# KiCad board panel.kicad_pcb (continued)
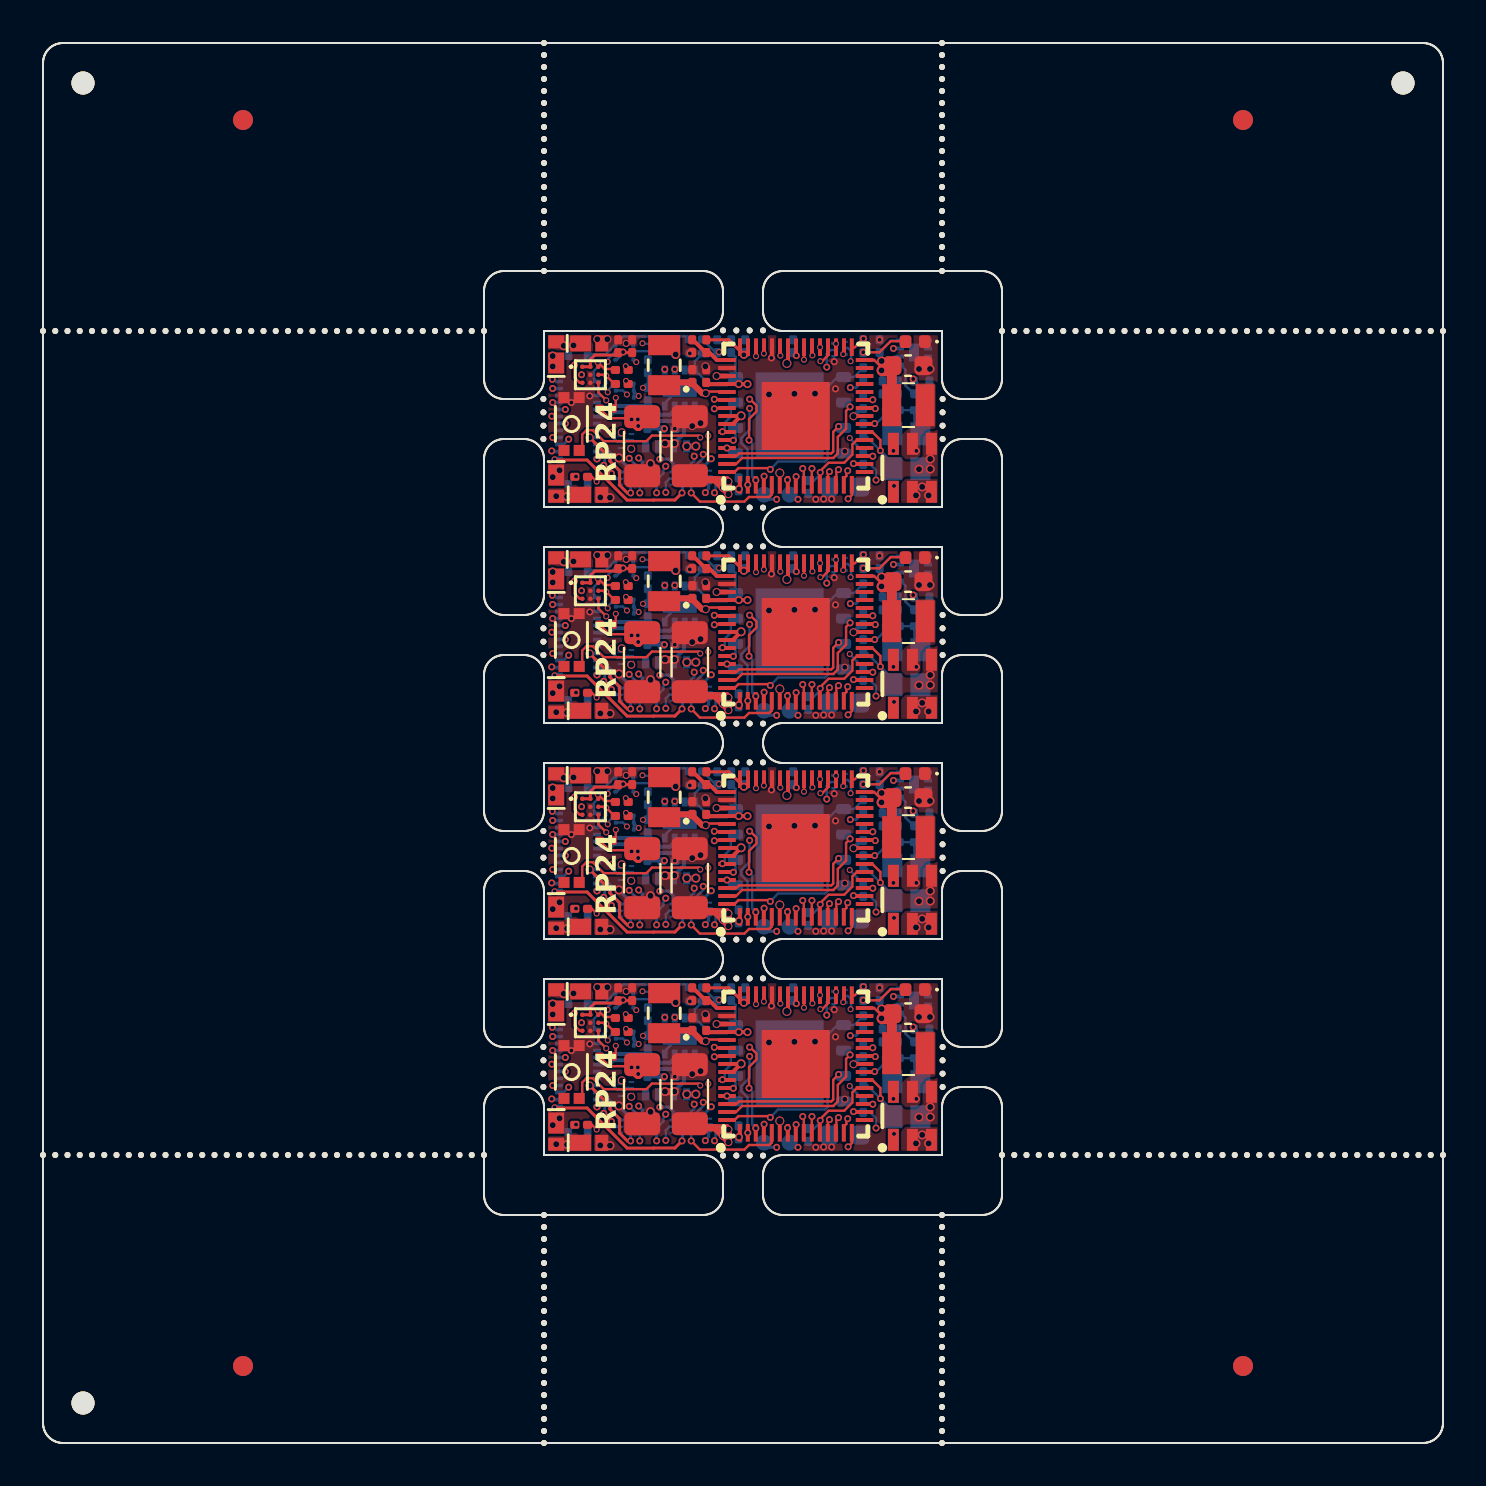
[diagram p0: board, top side]
## Routing (per net, layer and track width the routed paths; a pad name or vN(x,y) marks a point on that pad's centre or on a via; arc(x,y) is an arc through that point) (continued)
Board_2-/COMP_N: length 2.6
  Bottom w0.12: U1#2.6 42.59,32.73 42.46,32.6 42.46,31.78 R4.1 ; 41.98,30.85 42.06,30.85 42.62,31.41 42.62,31.49
Board_2-/COMP_P: length 2.7
  Bottom w0.12: R1.2 R2.1 ; R1.2 43.53,30.86 43.12,31.26 43.12,32.05 42.85,32.33 U1#2.5 ; R1.2 43.42,30.86
Board_2-/GPIO2: length 4.6
  Top w0.12: v3(36.05,26.74) 36.04,26.73 U4#2.4
  In4.Cu w0.12: v3(36.05,26.74) 35.91,26.88 34.16,26.88 33.57,26.3 v3(33.57,25.91)
  Bottom w0.12: v3(33.57,25.91) 33.62,25.96 33.62,26.55 33.45,26.72 Q6#2.2
Board_2-/GPIO3: length 5.8
  Top w0.12: v3(32.41,25.91) 32.85,25.47 35.07,25.47 35.3,25.7 36.31,25.7 36.44,25.83 U4#2.5
  Bottom w0.12: v3(32.41,25.91) 32.41,26.49 32.54,26.62 Q6#2.5
Board_2-/GPIO4: length 8.3
  In3.Cu w0.12: v3(37.23,26.55) 37.3,26.63 37.3,27 36.87,27.43 36.22,27.43 35.7,26.91 34.16,26.91 33.52,26.27 31.48,26.27 v3(31.14,25.93)
  Bottom w0.12: Q5#2.5 31.33,26.62 31.14,26.43 v3(31.14,25.93)
Board_2-/GPIO5: length 10.1
  Top w0.12: U4#2.8 37.64,26.71 v3(37.65,26.72)
  In4.Cu w0.12: v3(29.84,25.91) 30.27,25.47 36.08,25.47 36.82,26.21 37.42,26.21 37.6,26.39 37.6,26.67 v3(37.65,26.72)
  Bottom w0.12: Q3#2.5 29.94,26.62 29.84,26.52 v3(29.84,25.91)
Board_2-/GPIO6: length 11.5
  Top w0.12: v3(37.99,27.12) 38.04,27.07 U4#2.9
  In4.Cu w0.12: v3(37.99,27.12) 37.69,27.43 36.22,27.43 35.91,27.12 34.06,27.12 33.58,26.64 28.66,26.64 v3(28.42,26.88)
  Bottom w0.12: Q4#4.5 28.68,26.62 v3(28.42,26.88)
Board_2-/GPIO7: length 12.4
  Top w0.12: v3(38.45,27.12) 38.44,27.12 U4#2.10 38.44,26.19 38.43,26.17
  In4.Cu w0.12: 38.43,27.15 38.43,27.33 38.1,27.66 36.13,27.66 35.81,27.34 33.96,27.34 33.49,26.87 30.07,26.87 v3(29.31,27.63)
  Bottom w0.12: v3(29.31,27.63) 29.72,27.22 29.72,26.8 29.64,26.72 Q4#4.2
Board_2-/GPIO8: length 10.4
  Top w0.12: v3(39.32,26.97) 39.24,26.89 U4#2.12
  In4.Cu w0.12: v3(31.14,27.24) 31.24,27.13 33.43,27.13 33.87,27.58 35.72,27.58 36.03,27.89 38.41,27.89 v3(39.32,26.97)
  Bottom w0.12: v3(31.14,27.24) 31.03,27.13 31.03,26.89 30.85,26.72 Q3#2.2
Board_2-/GPIO9: length 9.9
  Top w0.12: U4#2.13 39.67,26.34 39.67,26.96 v3(39.78,27.07)
  In4.Cu w0.12: v3(33.01,27.83) 33.13,27.96 33.56,27.96 33.71,27.8 35.62,27.8 35.93,28.12 38.73,28.12 v3(39.78,27.07)
  Bottom w0.12: Q5#2.2 32.14,26.72 32.36,26.94 32.36,27 33.01,27.65 v3(33.01,27.83)
Board_2-/GPIO21: length 0.1
  Bottom w0.12: 39.58,33.37 39.64,33.37 v6(39.65,33.36)
Board_2-/GPIO25: length 8.1
  Top w0.12: v6(38.05,32.57) U4#2.37
  In4.Cu w0.12: v3(31.59,32.09) 32.03,32.09 32.83,32.88 33.42,32.88 33.67,32.63 34.7,32.63 34.89,32.44 35.5,32.44 35.95,31.98 37.47,31.98 v6(38.05,32.57) 38,32.57 37.98,32.59
  Bottom w0.12: v3(31.59,32.09) U6.6
Board_2-/GPIO26: length 7.5
  Top w0.12: v6(36.86,32.77) 36.85,32.78 U4#2.40
  In4.Cu w0.12: v6(36.86,32.77) 36.86,32.7 36.29,33.27 31.52,33.27 31.09,32.84 v3(31.09,32.09)
  Bottom w0.12: v3(31.09,32.09) U6.5
Board_2-/I2S_BCLK: length 16
  Top w0.12: U4#2.36 38.45,32.8 v6(38.47,32.78) ; v3(26.58,32.3) 26.58,32.29 26.58,31.67 26.84,31.41 U5#3.C1
  In4.Cu w0.12: v3(26.58,32.3) 27.37,33.09 28.38,33.09 29.02,33.73 38.8,33.73 39.19,33.34 39.19,33.05 38.99,32.84 38.53,32.84 v6(38.47,32.78)
Board_2-/I2S_DIN: length 13.1
  Top w0.12: U5#3.B1 26.97,31.81 v3(26.93,31.81)
  In4.Cu w0.12: v6(38.85,33.19) 38.54,33.5 30.54,33.5 29.85,32.8 29.49,32.8 29.29,32.6 28.57,32.6 28.39,32.78 27.59,32.78 26.93,32.11 v3(26.93,31.81)
Board_2-/I2S_LRCLK: length 17.8
  Top w0.12: U4#2.34 39.25,32.78 38.96,32.49 v6(38.87,32.49) ; U5#3.C3 27.77,30.93 v6(28.16,30.53)
  In3.Cu w0.12: v6(38.87,32.49) 39.21,32.83 39.21,33.32 38.8,33.73 28.88,33.73 28.37,33.22 28.03,33.22 27.38,32.57 27.38,31.31 v6(28.16,30.53)
Board_2-/LAMP_FRONT: length 4.6
  Top w0.15: v3(29.38,25.91) 29.22,25.91 28.83,26.29 28.83,27.01 28.34,27.5 28.34,27.67 v1(27.33,28.67)
  Bottom w0.15: v3(29.38,25.91) Q4#4.3 ; J1#3.9 v1(27.33,28.67)
Board_2-/LAMP_REAR: length 2
  Bottom w0.15: Q4#4.6 28.88,26.95 28.37,27.46 28.37,27.89 27.93,28.33 J1#3.10
Board_2-/MOTOR_A: length 5.1
  Bottom w0.2: U6.2 32.09,30.06 31.53,29.5 30.73,29.5 30.3,29.93 29.92,29.93 29.91,29.94 28.51,29.94 28.3,29.73 J1#3.6
Board_2-/MOTOR_B: length 4.8
  Bottom w0.12: 30.43,30.24 30.24,30.43 R13#4.2
  Bottom w0.2: 27.7,30.08 27.8,30.17 28.31,30.17 28.39,30.25 30.04,30.25 30.05,30.24 30.43,30.24 30.86,29.81 31.34,29.81 31.59,30.06 U6.3
Board_2-/QSPI_CS: length 11.1
  Top w0.12: v3(36.36,27.08) 36.3,27.14 34.77,27.14 34.58,26.95 U4#2.60
  Bottom w0.12: R5#2.1 40.54,31.7 U3#2.1 39.72,31.7 39.23,31.2 39.23,27.6 39.1,27.47 36.75,27.47 v3(36.36,27.08)
Board_2-/QSPI_SCLK: length 0.7
  Bottom w0.12: v3(34.52,28.53) 34.63,28.65 U3#2.6
Board_2-/QSPI_SD0: length 0.5
  Bottom w0.12: v3(34.2,28.15) 34.47,27.88 U3#2.5
Board_2-/QSPI_SD1: length 9.1
  Top w0.12: 33.88,27.35 U4#2.59 34.65,27.35 34.95,27.65 39.52,27.65 39.74,27.87 39.74,28.7 40.15,29.11 40.15,30.01 v3(40.35,30.21)
  Bottom w0.12: U3#2.2 40.14,30.42 v3(40.35,30.21)
Board_2-/QSPI_SD2: length 6.8
  Top w0.12: U4#2.58 34.67,27.75 34.8,27.88 39.42,27.88 39.51,27.97 39.51,28.96 v3(39.78,29.23) ; 34.44,27.77 34.46,27.75
Board_2-/QSPI_SD3: length 1.7
  Bottom w0.12: v3(33.97,28.96) 34.09,29.08 34.09,29.41 34.39,29.71 34.39,30.19 U3#2.7
Board_2-/RC_TX: length 14.7
  Top w0.12: v6(27.68,26.47) 27.44,26.71 R18#2.2 ; U4#2.15 40.44,25.79 v3(40.26,25.61)
  In1.Cu w0.12: v6(27.68,26.47) 27.94,26.22 28.36,26.22 29.11,25.47 36.08,25.47 36.55,25.94 39.92,25.94 v3(40.26,25.61)
Board_2-/SPEAKER_N: length 2
  Top w0.12: R16.1 28.58,31.35 v6(28.16,31.76) 28.11,31.81 U5#3.B3
  Bottom w0.12: J1#3.2 27.91,31.12 28.16,31.37 v6(28.16,31.76)
Board_2-/SPEAKER_P: length 2.3
  Top w0.12: U5#3.A3 27.77,32.4 v6(27.74,32.42) 27.77,32.42 28.09,32.1 28.57,32.1 R10#3.1
  Bottom w0.12: v6(27.74,32.42) 27.74,32.2 27.55,32.01 27.55,31.62 27.7,31.48
Board_2-/SWCLK: length 10
  Top w0.15: U4#2.24 41.58,30.15 v3(41.62,30.12)
  In4.Cu w0.15: v3(41.62,30.12) 41.72,30.12 43.14,28.7 43.14,27.53 42.66,27.05 41.41,27.05 40.66,26.3 38.62,26.3 37.91,25.59 v3(37.75,25.59)
Board_2-/SWDIO: length 12.1
  Top w0.15: v3(41.49,30.56) 41.48,30.55 U4#2.25
  In4.Cu w0.15: v3(41.49,30.56) 41.26,30.33 41.26,29.95 41.48,29.73 41.74,29.73 42.88,28.59 42.88,27.63 42.56,27.31 41.3,27.31 40.55,26.56 38.12,26.56 37.52,25.97 37.01,25.97 36.68,25.63 v3(36.68,25.58)
  Bottom w0.15: v3(36.68,25.58) 36.29,25.58 J2#2.1
Board_2-/SWITCH: length 3.9
  In1.Cu w0.12: v3(41.65,26.55) 43.11,28 v3(43.67,28)
  Bottom w0.12: v3(41.65,26.55) 41.65,27.03 41.36,27.33 C4#2.2
Board_2-/TRACK_LEFT: length 5.6
  Bottom w0.12: J1#3.X1A 27.33,32.84 28.13,32.84 28.55,33.26 Q8#4.6 28.62,33.33 29.02,33.73 32.19,33.73 R7#3.2
  vias: v5(26.04,33.26) v5(26.52,33.28)
Board_2-/TRACK_RIGHT: length 8.6
  In2.Cu w0.12: v6(28.24,30.94) 28.08,31.1 27.17,31.1 26.93,30.86 26.27,30.86 26.07,30.66 26.07,30.52 25.77,30.22 25.77,29.9 25.79,29.88 25.79,29.54 25.73,29.48 25.73,28.91 25.83,28.82 25.83,28.06 26.22,27.66 26.22,26.87 25.66,26.31 v5(25.66,25.74)
  Bottom w0.12: v6(28.24,30.94) 28.24,31.03 28.58,31.37 Q7.6
  Bottom w0.25: 26.27,26.34 J1#3.X2B
  vias: v5(26.2,25.72)
Board_2-/USB_N: length 5.7
  Top w0.12: U4#2.52 33.61,30.15 v3(33.57,30.11)
  In1.Cu w0.12: v3(33.57,30.11) 33.45,30.23 31.93,30.23 30.58,31.58 29.22,31.58 v6(29.15,31.51)
Board_2-/USB_P: length 5.9
  Top w0.12: U4#2.51 33.6,30.55 v3(33.57,30.59)
  In1.Cu w0.12: v3(33.57,30.59) 33.45,30.47 32.03,30.47 30.68,31.82 29.56,31.82 v6(29.14,32.24)
Board_2-/XIN: length 3.7
  Top w0.12: v3(41.87,28.02) 41.87,28.55 41.47,28.95 U4#2.21
  Bottom w0.12: C6#2.1 41.16,28.73 v3(41.87,28.02) 42.28,27.61 42.28,27.17
Board_2-/XOUT: length 1.5
  Top w0.12: U4#2.22 41.56,29.35 v3(41.58,29.37)
  Bottom w0.12: v3(41.58,29.37) 41.66,29.37 42.17,29.88 R6#4.2
Board_2-GND: length 7.8
  Top w0.12: v3(36.42,32.65) 36.45,32.68 U4#2.41 36.45,33.21 36.46,33.22
  Bottom w0.12: Q1.4 39.55,32.48 v3(39.56,32.46) ; v7(40.09,27.99) 40.09,27.95 U3#2.4 39.91,27.77 ; v3(31.59,29.12) R12#2.1 ; 32.43,30.91 32.2,31.15 U6.9 ; J1#3.22 26.07,30.77 v3(26.42,30.42) ; U6.9 31.17,30.48 31.16,30.48 ; U6.9 31.84,31.22 32.16,31.54 32.55,31.54 32.57,31.52 ; v3(32.56,27.74) 32.56,27.53 32.05,27.02 Q5#2.1 ; 44.24,32.33 U1#2.4 44.26,32.34 ; R14#4.1 30.32,32.56 30.35,32.52 ; v7(29.16,33.38) 29.4,33.38 Q8#4.1
  Bottom w0.15: J1#3.3 27.36,30.77 v3(27.34,30.75) ; Q4#4.1 28.8,27.63 v5(28.8,27.65) ; v5(30.38,27.36) 30.38,27.33 30.68,27.02 Q3#2.1
  vias: v1(27.72,33.59) v1(28.22,33.59) v1(32.46,29.25) v1(32.88,29.4) v1(33.12,32.23) v3(32.34,32.88) v3(38.64,25.58) v3(39.03,25.6) v3(39.43,25.6) v3(39.62,31.11) v3(41.83,33.56) v5(27.87,25.68) v5(28.35,25.67) v5(36.3,30.83) v5(37.57,30.86) v5(38.6,30.87) v5(43.8,32.1) v5(43.8,27.09) v5(44.35,32.1) v5(44.36,27.6) v5(44.36,27.1)
Board_2-Net-(C3-Pad1): length 2.1
  Bottom w0.12: Y1#3.1 43.57,29.16 C3#3.1 R6#4.1
Board_2-Net-(D7-A): length 2.4
  Top w0.12: v3(41.01,32.94) 41.83,32.94 42.38,33.49 43.1,33.49 D7#4.2
Board_2-Net-(Q1A-G1): length 9.8
  In2.Cu w0.12: v6(33.8,32.95) 34.58,33.73 39.78,33.73 40.38,33.13 v6(40.38,32.49)
  Bottom w0.12: v6(40.38,32.49) 40.4,32.51 40.4,32.99 40.24,33.15 Q1.2 ; R7#3.1 33.64,32.92 R8#4.2 33.77,32.92 v6(33.8,32.95)
Board_2-Net-(Q1B-G2): length 5.2
  In4.Cu w0.12: v3(39.19,32.19) 39.27,32.12 39.92,32.12 39.92,32.12 40.98,32.12 41.99,33.13 v3(42.52,33.13)
  Bottom w0.12: v3(42.52,33.13) 42.6,33.13 42.6,33.12 U1#2.7 ; Q1.5 39.38,33.05 39.19,32.86 v3(39.19,32.19)
Board_2-Net-(Q7A-B1): length 5
  In2.Cu w0.12: v6(29.97,33.39) 29.98,33.38 29.98,32.31 29.53,31.86 29.53,31 v6(29.78,30.75)
  Bottom w0.12: R17#3.1 30,33.36 v6(29.97,33.39) ; v6(29.78,30.75) 29.54,30.99 Q7.1 ; Q7.2 Q7.3
Board_2-Net-(Q7B-B2): length 10
  Top w0.12: v6(26.65,26.72) 26.64,26.71 R18#2.1
  In1.Cu w0.12: v6(29.2,30.83) 29.2,30.63 28.29,29.72 25.97,29.72 25.76,29.51 25.76,28.88 25.83,28.82 25.83,28.06 26.65,27.24 v6(26.65,26.72)
  In3.Cu w0.12: v6(29.66,32.44) 29.51,32.29 29.51,31.14 v6(29.2,30.83)
  Bottom w0.12: v6(29.66,32.44) 29.64,32.44 Q8#4.3 ; v6(29.2,30.83) 29,31.02 Q7.5
Board_2-Net-(Q7B-E2): length 3.2
  Top w0.12: R19#4.2 28.64,30.29 v6(28.64,30.66)
  In3.Cu w0.12: v6(28.64,30.66) 28.64,32.06 v6(28.24,32.46)
  Bottom w0.12: v6(28.24,32.46) 28.24,32.59 28.56,32.91 Q8#4.5 ; v6(28.64,30.66) Q7.4
Board_2-Net-(Q8A-B1): length 2.2
  Bottom w0.12: Q8#4.2 29.6,32.99 31.21,32.99 R17#3.2
Board_2-Net-(R5-Pad2): length 16.8
  Top w0.12: v6(32.86,28.67) 32.77,28.77 30.45,28.77 30.17,28.49 28.04,28.49 27.49,29.05 27.18,29.05 26.96,28.83 26.96,28.18 SW1#4.2
  In3.Cu w0.12: v3(40.36,31.17) 40.36,31.03 39.78,30.45 39.78,30.44 38.47,29.14 34.63,29.14 33.94,28.44 33.09,28.44 v6(32.86,28.67)
  Bottom w0.12: v3(40.36,31.17) 40.66,31.17 R5#2.2
Board_2-Net-(U2-BST): length 3.8
  Top w0.12: v3(42.52,28) U2.6
  In1.Cu w0.12: v6(40.34,28.65) 41.88,28.65 v3(42.52,28)
  Bottom w0.12: 40.96,27.97 C4#2.1 40.34,28.64 v6(40.34,28.65)
Board_2-Net-(U4-GPIO19): length 0.8
  Top w0.12: v3(41.02,33.62) 40.59,33.19 U4#2.31
Board_2-Net-(U4-VREG_AVDD): length 2.2
  Top w0.2: U4#2.46 33.69,32.55 33.32,32.92 R15#4.1 33.14,32.92 32.5,33.56 C16#3.1 32.52,33.56
Board_2-Net-(U4-VREG_LX): length 3.1
  Top w0.25: v1(33.68,31.75) U4#2.48
  In1.Cu w0.35: v5(31.63,32.83) 31.63,32.76 32.64,31.75 v1(33.68,31.75)
Board_2-VDC: length 13.4
  In3.Cu w0.12: v5(32.64,28.24) 32.67,28.21 33.65,28.21 34.06,27.8 34.34,27.8 34.95,28.41 34.95,28.68 35.18,28.91 38.57,28.91 40.01,30.35 40.01,30.35 40.48,30.82 40.61,30.82 41.39,31.6 v3(43.51,31.6)
  Bottom w0.12: v3(43.51,31.6) 43.56,31.55 R1.1
  Bottom w0.3: v5(32.19,28.24) 32.19,28.24 32.18,28.23 32.63,28.23 v5(32.64,28.24)
  vias: v5(25.49,32.75) v5(25.49,32.23) v5(25.49,26.69) v5(25.83,27.04)
Board_3-+1V1: length 20.9
  Top w0.12: v1(33.14,20.09) 33.22,20.17 34.18,20.17 U4#3.50
  Top w0.2: U4#3.23 40.58,18.95 40.57,18.94 v1(40.52,18.94) ; U4#3.39 37.25,21.64 v2(37.19,21.58) ; L2#4.2 31.2,20.63
  Top w0.3: 31.2,20.63 C11.1 32.46,20.59 32.96,20.09 v1(33.14,20.09)
  In1.Cu w0.3: v1(40.52,18.94) 39.62,18.94 36.84,16.16 v2(36.84,16.1) ; 37.19,21.58 36.96,21.35 34.76,21.35 33.67,20.26 33.31,20.26 v1(33.14,20.09)
  In2.Cu w0.2: v2(37.19,21.58) 37.19,21.58
  In2.Cu w0.3: v1(40.52,18.94) 40.8,19.21 40.8,20.55 40.48,20.86 37.97,20.86 37.25,21.58 v2(37.19,21.58)
  Bottom w0.2: C10#3.1 40.91,19.32 v1(40.52,18.94)
Board_3-+3.3V: length 30.9
  Top w0.12: U4#3.20 40.69,17.75 40.47,17.53 40.47,17.02 40.06,16.61 39.28,16.61 38.86,16.2 v3(38.86,16.13) 38.84,16.11 U4#3.11 ; v4(35.04,22.01) 35.15,22.12 35.2,22.12 35.25,22.17 U4#3.44 ; 29.96,18.92 29.88,18.84 28.31,18.84 R19#3.1 ; v4(34.8,15.3) 34.8,15.47 U4#3.1 ; U4#3.30 41.56,21.75 41.93,21.38 v5(41.93,21.23)
  Top w0.15: U4#3.45 34.85,22.2 34.93,22.12 35.2,22.12 ; U5#2.A1 U5#2.A2 27.37,21.78 27.59,22 28.63,22 C27#4.1 C28#3.1 ; R15.2 34.29,22.76 v4(35.04,22.01)
  Top w0.2: v4(35.23,20.55) v4(34.79,20.55) 34.79,20.55 U4#3.49 34.19,20.54 33.25,20.54 C12.2 ; U4#3.54 34.49,18.55 v5(34.91,18.96) 34.89,18.95 U4#3.53
  Top w0.3: 41.93,21.7 v5(41.93,21.23) 41.93,21.23 v5(41.93,21.7) 41.93,21.7
  Top w0.5: 42.44,21.19 41.96,21.19 v5(41.93,21.23) ; 42.44,21.19 42.47,21.23 C7.1 ; 42.44,21.19 42.44,19.49 ; v6(29.76,18.45) v6(29.43,18.78)
  Bottom w0.12: v3(38.86,16.13) 38.86,16.03 38.55,15.72 C9#4.1 ; R3#3.1 41.93,20.75 v5(41.93,21.23) ; U6#4.8 32.59,21.69 C29#4.1 ; U6#4.8 U6#4.7 ; U6#4.8 33.26,20.58 34.22,20.58 34.58,20.94 34.69,20.83 ; Q8#2.4 28.68,21.76 28.89,21.97 28.89,22.03 v3(29,22.15) ; U1#4.8 42.41,22.72 41.83,22.14 C1#4.2 41.83,21.8 v5(41.93,21.7) ; U3.8 34.63,21.9 C5#2.1 ; v4(34.8,15.3) 34.77,15.3
  Bottom w0.15: v3(26.12,18.57) 26.1,18.59 25.81,18.59 J1#2.18
  vias: v3(37.66,21.97) v3(42.55,15.45) v6(29.74,18.78)
Board_3-/ADC_EMF_A: length 8
  Top w0.12: v6(36.05,22.07) 36.05,22.08 U4#3.42
  In3.Cu w0.12: v3(31.07,18.31) 31.07,18.86 32.79,20.58 33.83,20.58 34.66,21.41 35.57,21.41 36.05,21.88 v6(36.05,22.07)
  Bottom w0.12: R12#4.2 30.25,18.29 R11#2.1 ; 31.07,18.32 v3(31.07,18.31)
Board_3-/ADC_EMF_B: length 7.8
  Top w0.12: v6(35.65,21.94) U4#3.43
  In3.Cu w0.12: v6(35.65,21.94) 35.35,21.64 33.85,21.64 33.27,21.06 32.95,21.06 32.24,20.36 v6(30,20.36)
  Bottom w0.12: R14#3.2 R13#3.1 v6(30,20.36)
Board_3-/AUX1 (VDC): length 3.9
  In1.Cu w0.15: v3(28.04,16.49) 28.08,16.44 29.43,16.44 29.78,16.8 v3(29.78,16.85)
  Bottom w0.15: Q3#3.6 30.06,16.15 29.97,16.25 29.97,16.67 v3(29.78,16.85) ; J1#2.11 27.91,17.17 28.09,17 28.09,16.53 v3(28.04,16.49)
Board_3-/AUX2 (VDC): length 4.6
  In1.Cu w0.15: v3(27.7,16.8) 27.61,16.71 27.61,16.29 28.24,15.66 30.13,15.66 v3(30.68,15.11)
  Bottom w0.15: v3(27.7,16.8) J1#2.12 ; v3(30.68,15.11) 30.68,15.11 Q3#3.3
Board_3-/AUX3: length 19.5
  Top w0.12: v3(41.49,16.94) 41.09,16.94 U4#3.18
  In4.Cu w0.12: v3(41.49,16.94) 40.83,16.94 40.23,17.53 39.88,17.53 39.49,17.53 38.87,18.15 ; v3(25.48,19.63) 25.82,19.97 26.56,19.97 27.14,19.39 28.84,19.39 29.04,19.59 30.03,19.59 30.9,20.46 33.44,20.46 34.51,19.39 34.51,18.8 34.75,18.56 38.46,18.56 38.87,18.15 ; 38.87,18.15 38.94,18.08
  Bottom w0.12: J1#2.21 v3(25.48,19.63)
Board_3-/AUX4: length 16.6
  Top w0.12: U4#3.17 40.55,16.55 v3(40.53,16.57)
  In4.Cu w0.12: v3(40.53,16.57) 40.25,16.84 39.85,16.84 38.37,18.33 34.62,18.33 34.21,18.74 33.25,18.74 33.25,18.74 33.03,18.97 31.75,18.97 31.39,19.33 29.1,19.33 28.94,19.16 26.23,19.16 v3(26.12,19.28)
  Bottom w0.12: v3(26.12,19.28) J1#2.20
Board_3-/AUX5 (VDC): length 10
  In4.Cu w0.15: v3(33.41,16.81) 33.18,16.58 31.83,16.58 31.25,17.16 30.93,17.16 30.08,18.01 29.73,18.01 29.22,18.52 27.43,18.52 27.06,18.15 25.76,18.15 v3(25.48,17.88)
  Bottom w0.15: v3(33.41,16.81) 32.8,16.2 Q6.6
Board_3-/AUX6 (VDC): length 6.9
  In4.Cu w0.15: v3(26.29,17.79) 26.59,17.49 29.05,17.49 29.25,17.69 29.94,17.69 v3(30.84,16.79)
  Bottom w0.15: Q5#4.6 31.5,16.59 31.29,16.8 30.99,16.8 30.98,16.79 v3(30.84,16.79) ; J1#2.15 26.02,17.53 v3(26.29,17.79)
Board_3-/AUX7 (VDC): length 9.5
  In4.Cu w0.15: v3(25.44,17.2) 25.91,17.2 26.36,16.75 27.15,16.75 28.31,15.59 32.64,15.59 v3(33.12,15.12)
  Bottom w0.15: J1#2.14 25.46,17.17 v3(25.44,17.2) ; Q6.3 33.28,15.33 33.12,15.16 v3(33.12,15.12)
Board_3-/AUX8 (VDC): length 8.3
  Top w0.15: v6(25.58,16.79) 25.61,16.75 27.2,16.75 29.21,14.75 30.53,14.75 30.53,14.75 31.6,14.75 v3(31.95,15.1)
  In1.Cu w0.15: 25.8,16.79 25.8,16.79 v6(25.58,16.79)
  Bottom w0.15: Q5#4.3 31.98,15.13 v3(31.95,15.1) ; J1#2.13 25.76,16.79 v6(25.58,16.79)
Board_3-/AUX10: length 17.6
  Top w0.12: U4#3.14 40.04,15.82 40.17,15.95 40.17,16.15 v3(40.23,16.21)
  In4.Cu w0.12: v3(25.44,18.94) 25.45,18.93 29.03,18.93 29.2,19.1 31.29,19.1 32.09,18.3 32.09,18.29 32.31,18.08 32.61,18.08 32.73,18.19 33,18.19 33.32,18.51 34.11,18.51 34.52,18.1 38.27,18.1 39.76,16.61 39.92,16.61 40.23,16.3 v3(40.23,16.21)
  Bottom w0.12: J1#2.19 25.46,18.92 v3(25.44,18.94)
Board_3-/AUX11: length 16
  In4.Cu w0.12: v3(35.33,19.33) 35.3,19.33 34.25,20.38 34.25,21.02 33.95,21.32 33.53,21.32 32.92,20.71 29.67,20.71 29.31,20.35 28.94,20.35 28.81,20.48 28.12,20.48 27.97,20.32 v3(25.48,20.32)
  Bottom w0.12: v3(35.24,15.51) 35.23,15.52 35.23,17.28 34.91,17.6 34.91,17.84 35.33,18.26 v3(35.33,19.33) ; v3(25.48,20.32) J1#2.23
Board_3-/AUX12: length 17.2
  Top w0.12: v3(35.3,17.74) 35.3,18.8 35.68,19.18 35.68,19.47 35.36,19.79 v3(35.33,19.79)
  In1.Cu w0.12: v3(35.64,15.74) 35.64,15.79
  In4.Cu w0.12: v3(35.33,19.79) 35.61,20.07 35.61,20.89 35.09,21.41 34.79,21.41 34.6,21.6 33.57,21.6 33.32,21.85 32.92,21.85 32.01,20.94 30.59,20.94 30.47,21.07 28.57,21.07 28.31,21.32 28.01,21.32 27.36,20.67 25.58,20.67 v3(25.47,20.78)
  Bottom w0.12: v3(35.3,17.74) 35.46,17.58 35.46,15.92 v3(35.64,15.74)
Board_3-/CAP_ENABLE: length 16.6
  Top w0.12: v6(40.01,22.04) 40.05,22.08 U4#3.32
  In1.Cu w0.12: v6(33.26,17.96) 33.26,18.09 33.12,18.23 32.76,18.23 32.51,17.97 30.93,17.97 30.72,17.77 28.78,17.77 28.48,18.07 v6(28.48,18.17)
  In3.Cu w0.12: 33.26,17.95 v6(33.26,17.96) 33.87,18.57 38.38,18.57 39.55,19.74 39.55,19.74 40.01,20.2 v6(40.01,22.04) ; v6(28.48,18.17) 28.48,18.16 28.48,18.16
  Bottom w0.12: v6(28.48,18.17) 28.55,18.1 28.55,17.83 28.73,17.65 Q2#3.5 29.1,17.65 29.2,17.75 Q2#3.2
Board_3-/CAP_VDC: length 11.8
  Top w0.35: v5(31.1,17.57) 31.1,17.57 31.56,17.57 v5(31.56,17.58) ; 32.55,15.77 32.35,15.97 C21#3.1 ; 32.55,15.77 33.59,15.77 v1(33.99,15.36) ; 32.55,15.77 34.18,15.77 v1(34.27,15.67) ; C21#3.1 32.33,15.98 31.96,15.98 ; C21#3.1 32.34,15.95 ; C21#3.1 32.34,15.89 ; v1(34.27,15.67) 33.99,15.4 v1(33.99,15.36) ; v1(34.27,15.67) 34.27,15.04 v1(34.27,15.04) 34.27,15.09 v1(33.99,15.36) ; 31.65,15.63 31.65,15.63
  In3.Cu w0.4: 29.54,17.54 29.41,17.41 v1(29.41,17.31) ; 29.54,17.54 29.58,17.58 31.56,17.58 v5(31.56,17.58) ; 29.54,17.54 29.53,17.54 v1(28.94,18.14)
  Bottom w0.12: v1(28.94,18.14) 28.91,18.11 28.91,18.07
  Bottom w0.2: D5.1 31.53,17.55 31.91,17.94 31.91,17.94 32.05,18.08 32.05,18.69 32.59,19.23 U6#4.1
  vias: v5(43.65,14.98) v5(43.96,15.4) v5(44.28,14.98)
Board_3-/COMP_N: length 2.6
  Bottom w0.12: U1#4.6 42.59,21.92 42.46,21.8 42.46,20.98 R4#2.1 ; 41.98,20.06 42.06,20.06 42.62,20.61 42.62,20.69
Board_3-/COMP_P: length 2.7
  Bottom w0.12: R1#2.2 R2#4.1 ; R1#2.2 43.42,20.06 ; R1#2.2 43.53,20.06 43.12,20.46 43.12,21.25 42.85,21.53 U1#4.5
Board_3-/GPIO2: length 4.6
  Top w0.12: v3(36.05,15.94) 36.04,15.93 U4#3.4
  In4.Cu w0.12: v3(33.57,15.11) 33.57,15.5 34.16,16.08 35.91,16.08 v3(36.05,15.94)
  Bottom w0.12: Q6.2 33.45,15.92 33.62,15.75 33.62,15.16 v3(33.57,15.11)
Board_3-/GPIO3: length 5.8
  Top w0.12: U4#3.5 36.44,15.03 36.31,14.9 35.3,14.9 35.07,14.67 32.85,14.67 v3(32.41,15.11)
  Bottom w0.12: v3(32.41,15.11) 32.41,15.69 32.54,15.82 Q6.5
Board_3-/GPIO4: length 8.3
  In3.Cu w0.12: v3(31.14,15.13) 31.48,15.47 33.52,15.47 34.16,16.11 35.7,16.11 36.22,16.63 36.87,16.63 37.3,16.2 37.3,15.83 v3(37.23,15.75)
  Bottom w0.12: v3(31.14,15.13) 31.14,15.63 31.33,15.82 Q5#4.5
Board_3-/GPIO5: length 10.1
  Top w0.12: v3(37.65,15.92) 37.64,15.91 U4#3.8
  In4.Cu w0.12: v3(37.65,15.92) 37.6,15.87 37.6,15.59 37.42,15.41 36.82,15.41 36.08,14.67 30.27,14.67 v3(29.84,15.11)
  Bottom w0.12: v3(29.84,15.11) 29.84,15.72 29.94,15.82 Q3#3.5
Board_3-/GPIO6: length 11.5
  Top w0.12: U4#3.9 38.04,16.27 v3(37.99,16.33)
  In4.Cu w0.12: v3(28.42,16.08) 28.66,15.84 33.58,15.84 34.06,16.31 35.91,16.31 36.22,16.63 37.69,16.63 v3(37.99,16.33)
  Bottom w0.12: v3(28.42,16.08) 28.68,15.82 Q4#3.5
Board_3-/GPIO7: length 12.4
  Top w0.12: 38.43,15.38 38.44,15.39 U4#3.10 38.44,16.32 v3(38.45,16.33)
  In4.Cu w0.12: v3(29.31,16.83) 30.07,16.07 33.49,16.07 33.96,16.55 35.81,16.55 36.13,16.86 38.1,16.86 38.43,16.53 38.43,16.35
  Bottom w0.12: v3(29.31,16.83) 29.72,16.42 29.72,16 29.64,15.92 Q4#3.2
Board_3-/GPIO8: length 10.4
  Top w0.12: v3(39.32,16.17) 39.24,16.09 U4#3.12
  In4.Cu w0.12: v3(31.14,16.44) 31.24,16.33 33.43,16.33 33.87,16.78 35.72,16.78 36.03,17.09 38.41,17.09 v3(39.32,16.17)
  Bottom w0.12: Q3#3.2 30.85,15.92 31.03,16.09 31.03,16.33 v3(31.14,16.44)
Board_3-/GPIO9: length 9.9
  Top w0.12: U4#3.13 39.67,15.54 39.67,16.16 v3(39.78,16.27)
  In4.Cu w0.12: v3(33.01,17.03) 33.13,17.16 33.56,17.16 33.71,17 35.62,17 35.93,17.32 38.73,17.32 v3(39.78,16.27)
  Bottom w0.12: Q5#4.2 32.14,15.92 32.36,16.14 32.36,16.2 33.01,16.85 v3(33.01,17.03)
Board_3-/GPIO21: length 0.1
  Bottom w0.12: 39.58,22.57 39.64,22.57 v6(39.65,22.56)
Board_3-/GPIO25: length 8.1
  Top w0.12: v6(38.05,21.77) U4#3.37
  In4.Cu w0.12: 37.98,21.79 38,21.77 v6(38.05,21.77) 37.47,21.19 35.95,21.19 35.5,21.64 34.89,21.64 34.7,21.83 33.67,21.83 33.42,22.08 32.83,22.08 32.03,21.29 v3(31.59,21.29)
  Bottom w0.12: v3(31.59,21.29) U6#4.6
Board_3-/GPIO26: length 7.5
  Top w0.12: U4#3.40 36.85,21.98 v6(36.86,21.97)
  In4.Cu w0.12: v6(36.86,21.97) 36.86,21.9 36.29,22.47 31.52,22.47 31.09,22.04 v3(31.09,21.29)
  Bottom w0.12: v3(31.09,21.29) U6#4.5
Board_3-/I2S_BCLK: length 16
  Top w0.12: v6(38.47,21.98) 38.45,22 U4#3.36 ; v3(26.58,21.5) 26.58,21.49 26.58,20.87 26.84,20.61 U5#2.C1
  In4.Cu w0.12: v3(26.58,21.5) 27.37,22.29 28.38,22.29 29.02,22.93 38.8,22.93 39.19,22.54 39.19,22.25 38.99,22.04 38.53,22.04 v6(38.47,21.98)
Board_3-/I2S_DIN: length 13.1
  Top w0.12: U5#2.B1 26.97,21.01 v3(26.93,21.01)
  In4.Cu w0.12: v6(38.85,22.39) 38.54,22.7 30.54,22.7 29.85,22 29.49,22 29.29,21.8 28.57,21.8 28.39,21.98 27.59,21.98 26.93,21.31 v3(26.93,21.01)
Board_3-/I2S_LRCLK: length 17.8
  Top w0.12: v6(38.87,21.69) 38.96,21.69 39.25,21.98 U4#3.34 ; v6(28.16,19.73) 27.77,20.13 U5#2.C3
  In3.Cu w0.12: v6(28.16,19.73) 27.38,20.51 27.38,21.77 28.03,22.42 28.37,22.42 28.88,22.93 38.8,22.93 39.21,22.52 39.21,22.03 v6(38.87,21.69)
Board_3-/LAMP_FRONT: length 4.6
  Top w0.15: v3(29.38,15.11) 29.22,15.11 28.83,15.49 28.83,16.21 28.34,16.7 28.34,16.87 v1(27.33,17.88)
  Bottom w0.15: J1#2.9 v1(27.33,17.88) ; v3(29.38,15.11) Q4#3.3
Board_3-/LAMP_REAR: length 2
  Bottom w0.15: J1#2.10 27.93,17.53 28.37,17.09 28.37,16.66 28.88,16.15 Q4#3.6
Board_3-/MOTOR_A: length 5.1
  Bottom w0.2: J1#2.6 28.3,18.92 28.51,19.14 29.91,19.14 29.92,19.13 30.3,19.13 30.73,18.7 31.53,18.7 32.09,19.26 U6#4.2
Board_3-/MOTOR_B: length 4.8
  Bottom w0.12: R13#3.2 30.24,19.63 30.43,19.44
  Bottom w0.2: U6#4.3 31.59,19.26 31.34,19.01 30.86,19.01 30.43,19.44 30.05,19.44 30.04,19.45 28.39,19.45 28.31,19.37 27.8,19.37 J1#2.5
Board_3-/QSPI_CS: length 11.1
  Top w0.12: v3(36.36,16.28) 36.3,16.34 34.77,16.34 34.58,16.15 U4#3.60
  Bottom w0.12: v3(36.36,16.28) 36.75,16.67 39.1,16.67 39.23,16.8 39.23,20.4 39.72,20.89 U3.1 40.54,20.89 R5#4.1
Board_3-/QSPI_SCLK: length 0.7
  Bottom w0.12: v3(34.52,17.73) 34.63,17.85 34.63,18.36
Board_3-/QSPI_SD0: length 0.5
  Bottom w0.12: v3(34.2,17.35) 34.47,17.08 U3.5
Board_3-/QSPI_SD1: length 9.1
  Top w0.12: 33.88,16.55 U4#3.59 34.65,16.55 34.95,16.85 39.52,16.85 39.74,17.07 39.74,17.9 40.15,18.31 40.15,19.21 v3(40.35,19.41)
  Bottom w0.12: v3(40.35,19.41) 40.14,19.62 U3.2
Board_3-/QSPI_SD2: length 6.8
  Top w0.12: v3(39.78,18.43) 39.51,18.16 39.51,17.17 39.42,17.08 34.8,17.08 34.67,16.95 U4#3.58 ; 34.44,16.97 34.46,16.95
Board_3-/QSPI_SD3: length 1.7
  Bottom w0.12: v3(33.97,18.16) 34.09,18.28 34.09,18.61 34.39,18.91 34.39,19.39 U3.7
Board_3-/RC_TX: length 14.7
  Top w0.12: U4#3.15 40.44,14.99 v3(40.26,14.81) ; v6(27.68,15.67) 27.44,15.91 R18.2
  In1.Cu w0.12: v6(27.68,15.67) 27.94,15.42 28.36,15.42 29.11,14.67 36.08,14.67 36.55,15.14 39.92,15.14 v3(40.26,14.81)
Board_3-/SPEAKER_N: length 2
  Top w0.12: U5#2.B3 28.11,21.01 v6(28.16,20.96) 28.58,20.55 R16#2.1
  Bottom w0.12: v6(28.16,20.96) 28.16,20.57 27.91,20.33 J1#2.2
Board_3-/SPEAKER_P: length 2.3
  Top w0.12: U5#2.A3 27.77,21.59 v6(27.74,21.62) 27.77,21.62 28.09,21.3 28.57,21.3 R10#4.1
  Bottom w0.12: J1#2.1 27.55,20.83 27.55,21.21 27.74,21.4 v6(27.74,21.62)
Board_3-/SWCLK: length 10
  Top w0.15: U4#3.24 41.58,19.35 v3(41.62,19.32)
  In4.Cu w0.15: v3(37.75,14.79) 37.91,14.79 38.62,15.5 40.66,15.5 41.41,16.25 42.66,16.25 43.14,16.73 43.14,17.9 41.72,19.32 v3(41.62,19.32)
Board_3-/SWDIO: length 12.1
  Top w0.15: U4#3.25 41.48,19.75 v3(41.49,19.76)
  In4.Cu w0.15: v3(41.49,19.76) 41.26,19.53 41.26,19.15 41.48,18.93 41.74,18.93 42.88,17.79 42.88,16.83 42.56,16.51 41.3,16.51 40.55,15.76 38.12,15.76 37.52,15.17 37.01,15.17 36.68,14.83 v3(36.68,14.78)
  Bottom w0.15: v3(36.68,14.78) 36.29,14.78 J2#3.1
Board_3-/SWITCH: length 3.9
  In1.Cu w0.12: v3(41.65,15.75) 43.11,17.2 v3(43.67,17.2)
  Bottom w0.12: C4.2 41.36,16.53 41.65,16.23 v3(41.65,15.75)
Board_3-/TRACK_LEFT: length 5.6
  Bottom w0.12: J1#2.X1A 27.33,22.04 28.13,22.04 28.55,22.46 Q8#2.6 28.62,22.53 29.02,22.93 32.19,22.93 R7#2.2
  vias: v5(26.04,22.46) v5(26.52,22.48)
Board_3-/TRACK_RIGHT: length 8.6
  In2.Cu w0.12: v5(25.66,14.94) 25.66,15.51 26.22,16.07 26.22,16.86 25.83,17.26 25.83,18.02 25.73,18.11 25.73,18.68 25.79,18.74 25.79,19.08 25.77,19.1 25.77,19.42 26.07,19.72 26.07,19.86 26.27,20.06 26.93,20.06 27.17,20.3 28.08,20.3 v6(28.24,20.14)
  Bottom w0.12: v6(28.24,20.14) 28.24,20.23 28.58,20.57 Q7#4.6
  Bottom w0.25: 26.27,15.54 J1#2.X2B
  vias: v5(26.2,14.92)
Board_3-/USB_N: length 5.7
  Top w0.12: v3(33.57,19.31) 33.61,19.35 U4#3.52
  In1.Cu w0.12: v3(33.57,19.31) 33.45,19.43 31.93,19.43 30.58,20.78 29.22,20.78 v6(29.15,20.71)
Board_3-/USB_P: length 5.9
  Top w0.12: U4#3.51 33.6,19.75 v3(33.57,19.79)
  In1.Cu w0.12: v3(33.57,19.79) 33.45,19.67 32.03,19.67 30.68,21.02 29.56,21.02 v6(29.14,21.44)
Board_3-/XIN: length 3.7
  Top w0.12: U4#3.21 41.47,18.15 41.87,17.75 v3(41.87,17.22)
  Bottom w0.12: C6#3.1 41.16,17.93 v3(41.87,17.22) 42.28,16.81 42.28,16.37
Board_3-/XOUT: length 1.5
  Top w0.12: U4#3.22 41.56,18.55 v3(41.58,18.57)
  Bottom w0.12: R6#3.2 42.17,19.08 41.66,18.57 v3(41.58,18.57)
Board_3-GND: length 7.8
  Top w0.12: v3(36.42,21.85) 36.45,21.88 U4#3.41 36.45,22.41 36.46,22.42
  Bottom w0.12: 32.57,20.72 32.55,20.74 32.16,20.74 31.84,20.42 U6#4.9 ; Q8#2.1 29.4,22.58 v7(29.16,22.58) ; 32.43,20.11 32.2,20.35 U6#4.9 ; Q1#2.4 39.55,21.68 v3(39.56,21.66) ; v3(32.56,16.94) 32.56,16.73 32.05,16.22 Q5#4.1 ; J1#2.22 26.07,19.97 v3(26.42,19.62) ; v3(31.59,18.31) R12#4.1 ; R14#3.1 30.32,21.76 30.35,21.72 ; U6#4.9 31.17,19.68 31.16,19.68 ; 44.26,21.54 U1#4.4 44.24,21.53 ; v7(40.09,17.19) 40.09,17.15 U3.4 39.91,16.97
  Bottom w0.15: Q3#3.1 30.68,16.22 30.38,16.53 v5(30.38,16.56) ; J1#2.3 27.36,19.97 v3(27.34,19.95) ; v5(28.8,16.85) 28.8,16.83 Q4#3.1
  vias: v1(27.72,22.79) v1(28.22,22.79) v1(32.46,18.45) v1(32.88,18.6) v1(33.12,21.43) v3(32.34,22.08) v3(38.64,14.78) v3(39.03,14.8) v3(39.43,14.8) v3(39.62,20.31) v3(41.83,22.76) v5(27.87,14.88) v5(28.35,14.87) v5(36.3,20.03) v5(37.57,20.06) v5(38.6,20.07) v5(43.8,21.3) v5(43.8,16.29) v5(44.35,21.3) v5(44.36,16.8) v5(44.36,16.3)
Board_3-Net-(C3-Pad1): length 2.1
  Bottom w0.12: Y1#2.1 43.57,18.36 C3.1 R6#3.1
Board_3-Net-(D7-A): length 2.4
  Top w0.12: v3(41.01,22.14) 41.83,22.14 42.38,22.69 43.1,22.69 D7.2
Board_3-Net-(Q1A-G1): length 9.8
  In2.Cu w0.12: v6(40.38,21.69) 40.38,22.33 39.78,22.93 34.58,22.93 v6(33.8,22.15)
  Bottom w0.12: R7#2.1 33.64,22.12 R8.2 33.77,22.12 v6(33.8,22.15) ; v6(40.38,21.69) 40.4,21.71 40.4,22.19 40.24,22.35 Q1#2.2
Board_3-Net-(Q1B-G2): length 5.2
  In4.Cu w0.12: v3(42.52,22.33) 41.99,22.33 40.98,21.32 39.92,21.32 39.92,21.32 39.27,21.32 v3(39.19,21.39)
  Bottom w0.12: U1#4.7 42.6,22.33 42.6,22.33 v3(42.52,22.33) ; Q1#2.5 39.38,22.25 39.19,22.06 v3(39.19,21.39)
Board_3-Net-(Q7A-B1): length 5
  In2.Cu w0.12: v6(29.78,19.95) 29.53,20.2 29.53,21.06 29.98,21.51 29.98,22.58 v6(29.97,22.59)
  Bottom w0.12: Q7#4.2 Q7#4.3 ; R17#4.1 30,22.56 v6(29.97,22.59) ; v6(29.78,19.95) 29.54,20.19 Q7#4.1
Board_3-Net-(Q7B-B2): length 10
  Top w0.12: R18.1 26.64,15.91 v6(26.65,15.92)
  In1.Cu w0.12: v6(26.65,15.92) 26.65,16.44 25.83,17.26 25.83,18.02 25.76,18.08 25.76,18.71 25.97,18.92 28.29,18.92 29.2,19.83 v6(29.2,20.03)
  In3.Cu w0.12: v6(29.2,20.03) 29.51,20.34 29.51,21.49 v6(29.66,21.64)
  Bottom w0.12: v6(29.2,20.03) 29,20.22 Q7#4.5 ; Q8#2.3 29.64,21.64 v6(29.66,21.64)
Board_3-Net-(Q7B-E2): length 3.2
  Top w0.12: R19#3.2 28.64,19.49 v6(28.64,19.86)
  In3.Cu w0.12: v6(28.24,21.66) 28.64,21.26 v6(28.64,19.86)
  Bottom w0.12: v6(28.24,21.66) 28.24,21.79 28.56,22.11 Q8#2.5 ; v6(28.64,19.86) Q7#4.4
Board_3-Net-(Q8A-B1): length 2.2
  Bottom w0.12: Q8#2.2 29.6,22.19 31.21,22.19 R17#4.2
Board_3-Net-(R5-Pad2): length 16.8
  Top w0.12: v6(32.86,17.87) 32.77,17.97 30.45,17.97 30.17,17.69 28.04,17.69 27.49,18.25 27.18,18.25 26.96,18.03 26.96,17.38 SW1.2
  In3.Cu w0.12: v3(40.36,20.37) 40.36,20.23 39.78,19.65 39.78,19.64 38.47,18.34 34.63,18.34 33.94,17.64 33.09,17.64 v6(32.86,17.87)
  Bottom w0.12: v3(40.36,20.37) 40.66,20.37 R5#4.2
Board_3-Net-(U2-BST): length 3.8
  Top w0.12: v3(42.52,17.2) U2#3.6
  In1.Cu w0.12: v3(42.52,17.2) 41.88,17.85 v6(40.34,17.85)
  Bottom w0.12: 40.96,17.17 C4.1 40.34,17.84 v6(40.34,17.85)
Board_3-Net-(U4-GPIO19): length 0.8
  Top w0.12: U4#3.31 40.59,22.39 v3(41.02,22.81)
Board_3-Net-(U4-VREG_AVDD): length 2.2
  Top w0.2: 32.52,22.76 C16#2.1 32.5,22.76 33.14,22.12 R15.1 33.32,22.12 33.69,21.75 U4#3.46
Board_3-Net-(U4-VREG_LX): length 3.1
  Top w0.25: v1(33.68,20.95) U4#3.48
  In1.Cu w0.35: v1(33.68,20.95) 32.64,20.95 31.63,21.96 v5(31.63,22.03)
Board_3-VDC: length 13.4
  In3.Cu w0.12: v5(32.64,17.44) 32.67,17.41 33.65,17.41 34.06,17 34.34,17 34.95,17.61 34.95,17.88 35.18,18.11 38.57,18.11 40.01,19.55 40.01,19.55 40.48,20.02 40.61,20.02 41.39,20.8 v3(43.51,20.8)
  Bottom w0.12: v3(43.51,20.8) 43.56,20.75 R1#2.1
  Bottom w0.3: v5(32.64,17.44) 32.63,17.43 32.18,17.43 32.19,17.44 v5(32.19,17.44)
  vias: v5(25.49,21.95) v5(25.49,21.43) v5(25.49,15.89) v5(25.83,16.24)

## Copper pours and planes (outline as drawn; the poured copper is in the pictures)
Board_0-+3.3V on In1.Cu: 44.75,55.5 44.75,46.8 25.05,46.8 25.05,55.49
Board_0-+3.3V on In3.Cu: 44.75,55.5 44.75,50.85 27.41,50.85 27.43,55.5
Board_0-/CAP+ on Bottom: 27.4,50.88 27.99,50.88 28,50.89 28,51.29 28.16,51.45 29.91,51.45 29.92,51.44 29.92,50.69 30.08,50.53 30.18,50.53 30.35,50.36 30.35,49.46 30.29,49.4 28.54,49.4 27.51,50.43 27.4,50.43
Board_0-/CAP_VDC on Top: 31.67,47.81 32.94,47.81 33.24,48.11 33.24,48.8 31.89,50.15 30.6,50.15 30.46,50.01 30.46,49.65 31.44,48.67 31.44,48.04
Board_0-/CAP_VDC on Top: 44.95,46.8 42.9,46.8 42.9,47.98 43.13,48.21 44.95,48.21
Board_0-/CAP_VDC on Bottom: 44.55,48.3 44.55,46.8 40.3,46.8 40.3,48.25 40.53,48.48 44.37,48.48
Board_0-/CAP_VDC on Bottom: 31.72,49.4 31.81,49.49 31.81,50.14 31.74,50.21 30.58,50.21 30.49,50.12 30.49,49.49 30.58,49.4
Board_0-/CAP_VDC on In3.Cu: 25.05,55.5 44.75,55.5 44.75,46.8 25.05,46.8
Board_0-/SWITCH on Top: 43.87,50.33 44.23,50.7 44.54,50.7 44.63,50.8 44.64,52.91 44.53,53.02 43.76,53.02 43.65,52.91 43.65,51.04 42.91,50.4 42.92,49.4 43.13,49.19 43.66,49.19 43.87,49.4
Board_0-/TRACK_LEFT on Top: 27.44,54.56 25.17,54.56 25.06,54.67 25.06,55.5 27.51,55.5 27.51,54.63
Board_0-/TRACK_LEFT on Bottom: 25.88,55.57 26.51,55.56 26.57,55.5 27.43,55.5 27.53,55.4 27.53,54.13 27.44,54.04 26.05,54.04 25.78,54.31 25.78,55.47
Board_0-/TRACK_RIGHT on Top: 27.43,47.01 27.43,47.8 27.33,47.91 26.23,47.91 26.07,47.74 25.11,47.74 25.11,46.85 27.28,46.85
Board_0-/TRACK_RIGHT on Bottom: 25.6,47.13 26.3,47.13 26.79,47.63 27.44,47.62 27.48,47.67 27.48,48.12 27.44,48.16 25.63,48.16 25.42,47.95 25.42,47.31
Board_0-GND on Top, Bottom, In2.Cu, In4.Cu: 25.05,55.5 44.95,55.5 44.95,46.8 25.05,46.8
Board_0-VDC on Top: 25.05,49.03 27.31,49.03 27.33,49.01 27.33,47.91 27.29,47.87 25.05,47.87
Board_0-VDC on Bottom: 25.05,54.59 25.57,54.59 26.29,53.87 26.29,53.71 26.01,53.43 25.05,53.43
Board_0-VDC on Bottom: 25.55,49.01 25.98,49.01 25.98,53.01 25.56,53.43 25.48,53.43 25.48,54.04 25.49,54.05 26.49,54.05 26.95,53.59 26.95,52.65 27.4,52.2 27.4,48.19 25.55,48.19
Board_0-VDC on In3.Cu: 25.06,55.5 27.57,55.5 32.88,50.75 32.88,46.8 25.06,46.79
Board_1-+3.3V on In1.Cu: 44.75,44.7 44.75,36 25.05,36 25.05,44.69
Board_1-+3.3V on In3.Cu: 44.75,44.7 44.75,40.05 27.41,40.05 27.43,44.7
Board_1-/CAP+ on Bottom: 27.4,40.08 27.99,40.08 28,40.09 28,40.49 28.16,40.65 29.91,40.65 29.92,40.64 29.92,39.89 30.08,39.73 30.18,39.73 30.35,39.56 30.35,38.66 30.29,38.6 28.54,38.6 27.51,39.63 27.4,39.63
Board_1-/CAP_VDC on Top: 44.95,36 42.9,36 42.9,37.18 43.13,37.41 44.95,37.41
Board_1-/CAP_VDC on Top: 31.67,37.01 32.94,37.01 33.24,37.31 33.24,38 31.89,39.35 30.6,39.35 30.46,39.21 30.46,38.85 31.44,37.87 31.44,37.24
Board_1-/CAP_VDC on Bottom: 44.55,37.5 44.55,36 40.3,36 40.3,37.45 40.53,37.68 44.37,37.68
Board_1-/CAP_VDC on Bottom: 31.72,38.6 31.81,38.69 31.81,39.34 31.74,39.41 30.58,39.41 30.49,39.32 30.49,38.69 30.58,38.6
Board_1-/CAP_VDC on In3.Cu: 25.05,44.7 44.75,44.7 44.75,36 25.05,36
Board_1-/SWITCH on Top: 43.87,39.53 44.23,39.9 44.54,39.9 44.63,40 44.64,42.11 44.53,42.22 43.76,42.22 43.65,42.11 43.65,40.24 42.91,39.6 42.92,38.6 43.13,38.39 43.66,38.39 43.87,38.6
Board_1-/TRACK_LEFT on Top: 27.44,43.76 25.17,43.76 25.06,43.88 25.06,44.7 27.51,44.7 27.51,43.83
Board_1-/TRACK_LEFT on Bottom: 25.88,44.77 26.51,44.76 26.57,44.7 27.43,44.7 27.53,44.6 27.53,43.33 27.44,43.24 26.05,43.24 25.78,43.51 25.78,44.67
Board_1-/TRACK_RIGHT on Top: 27.43,36.2 27.43,37.01 27.33,37.11 26.23,37.11 26.07,36.94 25.11,36.94 25.11,36.05 27.28,36.05
Board_1-/TRACK_RIGHT on Bottom: 25.6,36.33 26.3,36.33 26.79,36.83 27.44,36.82 27.48,36.87 27.48,37.32 27.44,37.36 25.63,37.36 25.42,37.15 25.42,36.51
Board_1-GND on Top, Bottom, In2.Cu, In4.Cu: 25.05,44.7 44.95,44.7 44.95,36 25.05,36
Board_1-VDC on Top: 25.05,38.23 27.31,38.23 27.33,38.21 27.33,37.11 27.29,37.07 25.05,37.07
Board_1-VDC on Bottom: 25.05,43.79 25.57,43.79 26.29,43.07 26.29,42.91 26.01,42.63 25.05,42.63
Board_1-VDC on Bottom: 25.55,38.21 25.98,38.21 25.98,42.21 25.56,42.63 25.48,42.63 25.48,43.24 25.49,43.25 26.49,43.25 26.95,42.79 26.95,41.85 27.4,41.4 27.4,37.39 25.55,37.39
Board_1-VDC on In3.Cu: 25.06,44.7 27.57,44.7 32.88,39.95 32.88,36 25.06,35.99
Board_2-+3.3V on In1.Cu: 44.75,33.9 44.75,25.2 25.05,25.2 25.05,33.89
Board_2-+3.3V on In3.Cu: 44.75,33.9 44.75,29.25 27.41,29.25 27.43,33.9
Board_2-/CAP+ on Bottom: 27.4,29.28 27.99,29.28 28,29.29 28,29.69 28.16,29.85 29.91,29.85 29.92,29.84 29.92,29.09 30.08,28.93 30.18,28.93 30.35,28.76 30.35,27.86 30.29,27.8 28.54,27.8 27.51,28.83 27.4,28.83
Board_2-/CAP_VDC on Top: 31.67,26.21 32.94,26.21 33.24,26.51 33.24,27.2 31.89,28.55 30.6,28.55 30.46,28.41 30.46,28.05 31.44,27.07 31.44,26.44
Board_2-/CAP_VDC on Top: 44.95,25.2 42.9,25.2 42.9,26.38 43.13,26.61 44.95,26.61
Board_2-/CAP_VDC on Bottom: 31.72,27.8 31.81,27.89 31.81,28.54 31.74,28.61 30.58,28.61 30.49,28.52 30.49,27.89 30.58,27.8
Board_2-/CAP_VDC on Bottom: 44.55,26.7 44.55,25.2 40.3,25.2 40.3,26.65 40.53,26.88 44.37,26.88
Board_2-/CAP_VDC on In3.Cu: 25.05,33.9 44.75,33.9 44.75,25.2 25.05,25.2
Board_2-/SWITCH on Top: 43.87,28.73 44.23,29.1 44.54,29.1 44.63,29.2 44.64,31.31 44.53,31.41 43.76,31.41 43.65,31.31 43.65,29.44 42.91,28.8 42.92,27.8 43.13,27.59 43.66,27.59 43.87,27.8
Board_2-/TRACK_LEFT on Top: 27.44,32.96 25.17,32.96 25.06,33.08 25.06,33.9 27.51,33.9 27.51,33.03
Board_2-/TRACK_LEFT on Bottom: 25.88,33.97 26.51,33.96 26.57,33.9 27.43,33.9 27.53,33.8 27.53,32.53 27.44,32.44 26.05,32.44 25.78,32.71 25.78,33.87
Board_2-/TRACK_RIGHT on Top: 27.43,25.41 27.43,26.2 27.33,26.31 26.23,26.31 26.07,26.14 25.11,26.14 25.11,25.25 27.28,25.25
Board_2-/TRACK_RIGHT on Bottom: 25.6,25.53 26.3,25.53 26.79,26.03 27.44,26.02 27.48,26.07 27.48,26.52 27.44,26.56 25.63,26.56 25.42,26.35 25.42,25.71
Board_2-GND on Top, Bottom, In2.Cu, In4.Cu: 25.05,33.9 44.95,33.9 44.95,25.2 25.05,25.2
Board_2-VDC on Top: 25.05,27.43 27.31,27.43 27.33,27.41 27.33,26.31 27.29,26.27 25.05,26.27
Board_2-VDC on Bottom: 25.05,32.99 25.57,32.99 26.29,32.27 26.29,32.11 26.01,31.83 25.05,31.83
Board_2-VDC on Bottom: 25.55,27.41 25.98,27.41 25.98,31.41 25.56,31.83 25.48,31.83 25.48,32.44 25.49,32.45 26.49,32.45 26.95,31.99 26.95,31.05 27.4,30.6 27.4,26.59 25.55,26.59
Board_2-VDC on In3.Cu: 25.06,33.9 27.57,33.9 32.88,29.15 32.88,25.2 25.06,25.19
Board_3-+3.3V on In1.Cu: 44.75,23.1 44.75,14.4 25.05,14.4 25.05,23.09
Board_3-+3.3V on In3.Cu: 44.75,23.1 44.75,18.45 27.41,18.45 27.43,23.1
Board_3-/CAP+ on Bottom: 27.4,18.48 27.99,18.48 28,18.49 28,18.89 28.16,19.05 29.91,19.05 29.92,19.04 29.92,18.29 30.08,18.13 30.18,18.13 30.35,17.96 30.35,17.06 30.29,17 28.54,17 27.51,18.03 27.4,18.03
Board_3-/CAP_VDC on Top: 31.67,15.41 32.94,15.41 33.24,15.71 33.24,16.4 31.89,17.75 30.6,17.75 30.46,17.61 30.46,17.25 31.44,16.27 31.44,15.64
Board_3-/CAP_VDC on Top: 44.95,14.4 42.9,14.4 42.9,15.58 43.13,15.81 44.95,15.81
Board_3-/CAP_VDC on Bottom: 44.55,15.9 44.55,14.4 40.3,14.4 40.3,15.85 40.53,16.08 44.37,16.08
Board_3-/CAP_VDC on Bottom: 31.72,17 31.81,17.09 31.81,17.74 31.74,17.81 30.58,17.81 30.49,17.72 30.49,17.09 30.58,17
Board_3-/CAP_VDC on In3.Cu: 25.05,23.1 44.75,23.1 44.75,14.4 25.05,14.4
Board_3-/SWITCH on Top: 43.87,17.93 44.23,18.3 44.54,18.3 44.63,18.4 44.64,20.51 44.53,20.61 43.76,20.61 43.65,20.51 43.65,18.64 42.91,18 42.92,17 43.13,16.79 43.66,16.79 43.87,17
Board_3-/TRACK_LEFT on Top: 27.44,22.16 25.17,22.16 25.06,22.28 25.06,23.1 27.51,23.1 27.51,22.23
Board_3-/TRACK_LEFT on Bottom: 25.88,23.17 26.51,23.16 26.57,23.1 27.43,23.1 27.53,23 27.53,21.73 27.44,21.64 26.05,21.64 25.78,21.91 25.78,23.07
Board_3-/TRACK_RIGHT on Top: 27.43,14.61 27.43,15.41 27.33,15.51 26.23,15.51 26.07,15.34 25.11,15.34 25.11,14.45 27.28,14.45
Board_3-/TRACK_RIGHT on Bottom: 25.6,14.73 26.3,14.73 26.79,15.23 27.44,15.22 27.48,15.27 27.48,15.72 27.44,15.76 25.63,15.76 25.42,15.55 25.42,14.91
Board_3-GND on Top, Bottom, In2.Cu, In4.Cu: 25.05,23.1 44.95,23.1 44.95,14.4 25.05,14.4
Board_3-VDC on Top: 25.05,16.63 27.31,16.63 27.33,16.61 27.33,15.51 27.29,15.47 25.05,15.47
Board_3-VDC on Bottom: 25.05,22.19 25.57,22.19 26.29,21.47 26.29,21.31 26.01,21.03 25.05,21.03
Board_3-VDC on Bottom: 25.55,16.61 25.98,16.61 25.98,20.61 25.56,21.03 25.48,21.03 25.48,21.64 25.49,21.65 26.49,21.65 26.95,21.19 26.95,20.25 27.4,19.8 27.4,15.79 25.55,15.79
Board_3-VDC on In3.Cu: 25.06,23.1 27.57,23.1 32.88,18.35 32.88,14.4 25.06,14.39

Small or netless copper shapes (teardrops, artwork), in the pictures only: 8 on Bottom

## Text on the board
B.Silkscreen: 󱟶 | MS | E24 DCC | I | C
F.Silkscreen: RP24
